# KiCad board rp2040_base.kicad_pcb (continued)
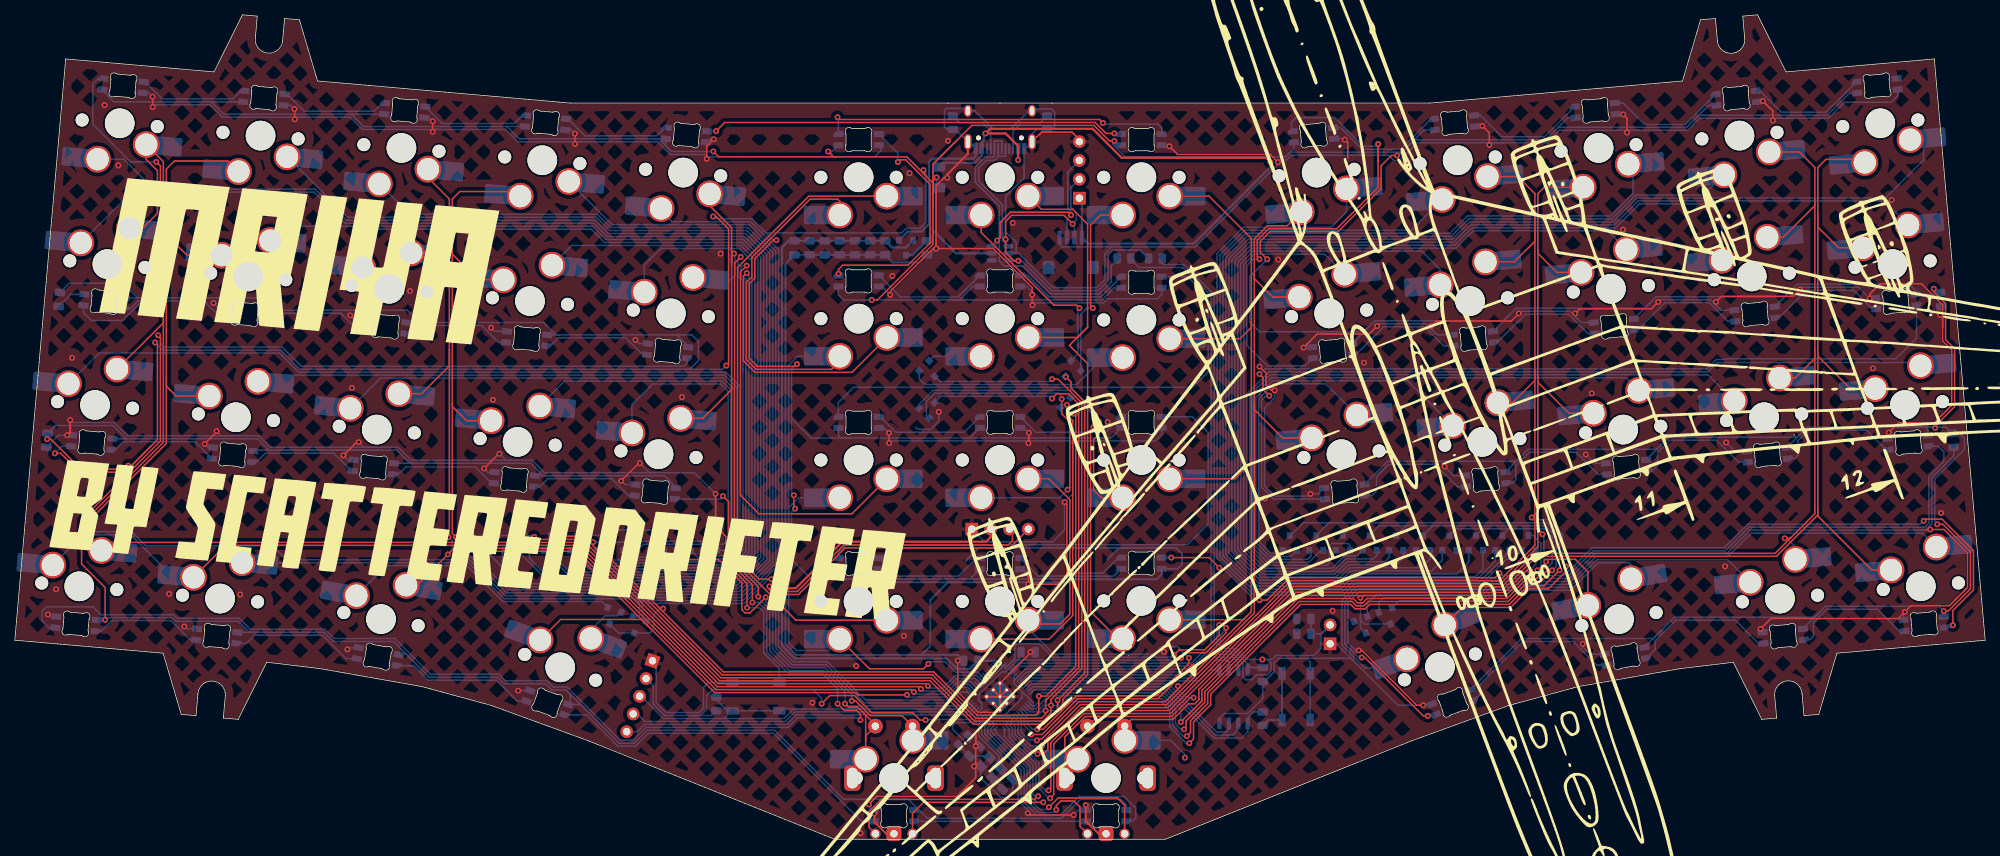
[diagram p0: board, top side]
## Nets (continued)
Net-(LED42-DIN): LED42.4 LED46.2
Net-(LED43-DIN): LED43.4 LED47.2
Net-(LED44-DIN): LED44.4 LED48.2
Net-(LED45-DOUT): LED45.2 LED49.4
Net-(LED46-DIN): LED46.4 LED50.2
Net-(LED47-DIN): LED47.4 LED51.2
Net-(LED48-DIN): LED48.4 LED52.2
Net-(U3-USB_DM): R4.2 U3.46
Net-(U3-USB_DP): R3.2 U3.47

Pads without a net: D7 1; D14 2; D21 2; D28 1; J0 A8 B8; JST_connector2 MP; LED49 2; SW1 MP; SW3 MP; U3 28 37; U44 3 4

## Via types
v1: diameter 0.8, hole 0.4, Top to Bottom, 255 vias

## Routing (per net, layer and track width the routed paths; a pad name or vN(x,y) marks a point on that pad's centre or on a via; arc(x,y) is an arc through that point)
+1V1: length 110
  Top w0.2: v1(163.18,28.48) 163.18,27.83 160.48,25.13 157.83,25.13 v1(157.13,24.43)
  Bottom w0.2: 134.72,23.76 134.84,23.89 ; 134.72,23.76 135.53,24.57 135.53,24.82 ; 134.72,23.76 U3.45 133.49,22.54 132.96,22.54 129.87,19.44 129.87,18.69 130.25,18.31 130.25,17.59 U3.23 ; 134.84,23.89 135.07,24.12 ; 134.84,23.89 135.09,24.13 ; 155.22,24.13 156.83,24.13 v1(157.13,24.43) ; 155.22,24.13 138.28,24.13 ; 155.22,24.13 155.89,24.13 ; 135.07,24.12 135.09,24.13 ; 135.07,24.12 135.09,24.12 ; 135.09,24.13 138.28,24.13 ; C6.1 C7.1 175.99,27.68 J4.2 175.94,27.63 175.94,25.74 174.97,24.77 169.93,24.77 169.38,24.22 v1(168.07,24.22) ; 138.28,24.13 137.9,24.13 ; v1(168.07,24.22) 166.06,24.22 164.56,25.71 162.67,25.71 162.36,26.02 162.36,27.48 163.18,28.3 v1(163.18,28.48) ; v1(168.07,24.22) 168.73,24.22 169.25,23.7 169.25,22.71 168.69,22.15 167.29,22.15 166.63,21.5 165.84,21.5 165.44,21.9 165.44,23.71 164.23,24.91 161.39,24.91 159.01,22.53 136.32,22.53 U3.50
+3V3: length 298.9
  Top w0.2: v1(122.69,16.06) 121.95,16.06 120.97,17.04 115.44,17.04 113.13,19.36 109.79,19.36 v1(108.69,18.26) ; v1(162.26,28.88) 162.26,27.48 160.31,25.53 156.86,25.53 v1(156.16,24.83)
  Top w0.3: pinout_cirque1.2 131.46,40.71 130.85,40.1 111.49,40.1 108.18,36.79 ; 108.18,36.79 105.22,33.83 103.88,33.83 102.82,34.89 v1(102.82,35.93) ; 108.18,36.79 108.63,37.23
  Bottom w0.2: 134.22,23.83 134.58,24.2 134.35,23.96 ; 134.22,23.83 134.7,24.31 134.7,25.98 135.07,26.35 137.99,26.35 139.81,24.53 155.86,24.53 v1(156.16,24.83) ; 134.22,23.83 U3.44 ; 134.62,21.37 134.62,21.97 U3.48 ; 134.62,21.37 134.62,20.97 135.71,19.88 ; 134.62,21.37 134.62,21.41 U3.49 136.15,22.93 158.84,22.93 160.31,24.4 ; 160.91,25 160.31,24.4 ; 160.91,25 161.22,25.31 ; 160.91,25 161.22,25.31 164.4,25.31 165.49,24.22 ; 135.71,19.88 135.71,19.06 133.14,16.49 ; 135.71,19.88 U3.1 ; 165.49,24.22 166.09,23.62 U2.8 ; 165.49,24.22 166.59,23.12 C5.1 ; 160.31,24.4 161.35,25.44 ; 161.35,25.44 161.96,26.05 ; 161.35,25.44 161.96,26.05 ; U3.10 134.02,16.49 133.14,16.49 ; v1(122.69,16.06) 122.75,16.12 129.34,16.12 U3.22 130.51,17.3 130.95,17.3 131.76,16.49 133.14,16.49 ; 161.96,26.05 161.96,28.58 v1(162.26,28.88) ; J1.2 85.99,20.7 85.99,18.22 87.54,16.67 91.09,16.67 ; 91.09,16.67 92.36,16.67 93.19,17.49 93.19,19.33 94.03,20.17 107.51,20.17 108.69,18.99 v1(108.69,18.26) ; 91.09,16.67 93.84,16.67 R8.2 ; U3.43 131.57,21.75 131.49,21.75 130.24,20.51 130,20.51 U3.33
  Bottom w0.25: C9.1 C4.1
  Bottom w0.3: C4.1 118.15,79.74 120.05,79.74 U4.2 ; C9.1 104.24,80.65 103.34,79.76 103.34,37.17 ; 103.34,35.9 103.34,26.1 105.08,24.37 125.51,24.37 126.92,22.96 128.65,22.96 C10.1 132.2,24.05 132.77,23.48 ; 103.34,35.9 103.34,37.17 ; 103.34,35.9 103.34,35.4 ; 133.55,23.23 U3.43 132.77,23.48 ; 103.34,37.17 103.34,36.46 v1(102.82,35.93) ; 113.01,80.65 C14.1 ; 132.77,23.48 132.19,23.48 132.15,23.51
+5V: length 1502.7
  Top w0.2: v1(14.29,48.76) 14.29,48.34 8.99,43.04 8.99,37.09 12.16,33.92 v1(12.16,29.56) ; v1(104.94,46.34) 104.94,44.73 v1(105.13,44.55) ; v1(148.14,94.1) 147.47,94.1 145.38,96.19 128.92,96.19 126.88,94.15 ; 110.65,91.96 94.82,91.96 v1(94.1,92.68) ; 110.65,91.96 120.17,91.96 122.69,89.44 ; 110.65,91.96 110.29,91.96 v1(109.57,92.68) ; v1(94.07,83.92) 94.49,83.92 96.16,82.25 96.16,64.13 v1(95.86,63.83) ; 126.88,94.15 123.69,90.96 ; 126.88,94.15 123.69,90.96 ; 123.69,90.96 123.69,86.99 ; 123.69,85.6 123.69,86.99 ; 123.69,85.6 123.69,88.7 v1(124.17,89.18) ; 123.69,85.6 123.69,80.17 116.2,72.67 v1(115.44,72.67) ; 123.69,86.99 123.69,88.44 122.69,89.44 ; 122.69,89.44 122.41,89.72 v1(122.41,90.17) ; v1(258.69,55.43) 258.69,55.67 258.98,55.95 258.98,55.95 261.32,58.29 261.32,66.1 260.1,67.32 260.1,72.18 258.52,73.76 v1(258.52,74.18) ; v1(186.22,92.15) 185.45,92.15 184.06,90.75 184.06,87.67 178.25,81.87 169.07,81.87 167.78,80.57 167.78,79.11 v1(168.73,78.16) ; v1(105.37,64.02) 105.07,63.72 100.03,63.72 98.96,64.79 98.96,74.88 99.69,75.62 99.69,78.25 102.17,80.73 v1(102.59,80.73) ; v1(258.98,42.44) 259.75,42.44 263.46,38.73 263.46,33.75 260.46,30.75 v1(259.86,30.75) ; v1(15.3,50.34) 15.72,50.34 18.33,52.94 ; 18.33,52.94 19.21,53.83 19.21,66.64 v1(18.91,66.94) ; 18.33,52.94 17.61,52.23 ; 17.61,52.23 15.24,49.86 8.91,49.86 4.86,53.9 v1(4.36,53.9) ; 17.61,52.23 17.32,51.94
  Bottom w0.2: 53.69,50.67 69.51,50.67 71.19,48.99 73.92,48.99 ; 53.69,50.67 51.12,50.67 LED13.3 51.26,50.81 ; 53.69,50.67 53.23,50.67 51.48,52.42 49.43,52.42 ; 239.27,73.94 238.42,73.1 221.11,73.1 220.29,72.29 ; 239.27,73.94 240.1,74.78 255.24,74.78 256.06,73.95 LED50.3 259.11,73.42 C19.1 ; 239.27,73.94 LED46.3 ; 126.53,72.67 146.48,72.67 148.12,74.31 LED26.3 ; 126.53,72.67 114.37,72.67 ; 126.53,72.67 127.25,72.67 129.06,74.48 129.99,74.48 ; LED36.3 149.73,4.65 149.01,5.37 143.56,5.37 141,2.81 122.94,2.81 122.05,3.7 ; 226.39,97.1 228.18,98.89 LED45.3 ; 226.39,97.1 225.22,95.93 207.9,95.93 207.45,95.47 ; 226.39,97.1 226.85,97.56 244.17,97.56 247.16,100.55 LED49.3 ; LED23.3 148.04,93.53 147.9,93.67 ; 26.46,99.37 28.12,97.71 45.32,97.71 ; 26.46,99.37 13.32,99.37 11.79,100.9 LED1.3 ; 26.46,99.37 LED2.3 ; 5.45,55.74 13.23,55.74 15,53.97 ; 5.45,55.74 4.36,54.64 v1(4.36,53.9) ; 5.45,55.74 C15.1 ; 86.14,94.39 86.75,94.39 87.98,93.16 ; 86.14,94.39 67.93,94.39 66.27,96.05 ; 86.14,94.39 LED5.3 87.7,93.44 87.98,93.16 ; LED24.3 110.94,73.37 111.64,72.67 114.37,72.67 ; 90.41,63.34 90.92,63.34 92.09,64.51 92.09,67.08 91.2,67.97 88.52,67.97 ; 90.41,63.34 38.4,63.34 35.82,65.92 19.93,65.92 v1(18.91,66.94) ; 90.41,63.34 95.37,63.34 v1(95.86,63.83) ; 88.52,67.97 73.34,67.97 ; 88.52,67.97 89.18,67.97 90.71,66.43 LED10.3 ; 73.34,67.97 72.9,67.97 71.24,69.63 56.7,69.63 ; 73.34,67.97 LED9.3 ; 51.26,24.93 52.73,24.93 53.65,24.01 ; 171.46,92.24 171.17,91.94 149.63,91.94 147.9,93.67 ; 171.46,92.24 171.81,92.58 186.86,92.58 187.19,92.91 ; 171.46,92.24 172.29,93.06 LED33.3 ; 73.92,48.99 87.52,48.99 89.05,47.46 LED15.3 ; 73.92,48.99 LED14.3 ; 147.9,93.67 147.9,93.86 v1(148.14,94.1) ; v1(258.52,74.18) 258.86,74.18 C19.1 ; v1(258.98,42.44) 258.98,42.51 258.66,42.83 258.66,48.55 262.64,52.53 262.64,54.02 261.96,54.7 C18.1 260.21,55.52 257.26,55.52 ; 14.29,49.33 14.36,49.41 ; 14.29,49.33 14.36,49.41 ; 14.29,49.33 v1(14.29,48.76) 14.29,49.33 ; 14.36,49.41 v1(15.3,50.34) ; 32.87,27.88 41.62,27.88 42.85,26.66 51,26.66 53.65,24.01 ; 32.87,27.88 31.56,27.88 30.08,29.36 21.7,29.36 21.2,29.86 11.35,29.86 LED19.3 12.13,29.53 v1(12.16,29.56) ; 32.87,27.88 LED18.3 ; 74.52,19.83 76.44,17.91 ; 74.52,19.83 74.23,20.11 72.35,20.11 71.52,20.95 65.92,20.95 65.04,21.83 55.83,21.83 53.65,24.01 ; 74.52,19.83 74.83,19.52 74.83,18.44 LED16.3 76.19,18.16 76.44,17.91 ; 76.44,17.91 81.41,12.94 83.44,12.94 85.17,14.67 102.36,14.67 111.63,5.4 120.35,5.4 122.05,3.7 ; v1(115.44,72.67) 114.37,72.67 ; LED37.3 189.86,95.57 187.78,93.49 188,93.71 ; 188,93.71 187.19,92.91 ; 188,93.71 188.54,94.26 206.23,94.26 207.45,95.47 ; 187.19,92.91 186.43,92.15 v1(186.22,92.15) ; 122.05,3.7 121.84,3.91 LED20.3 ; C19.1 259.38,73.69 259.89,73.69 ; 100.85,82.04 101.19,81.7 119.47,81.7 120.11,82.34 121.96,82.34 122.71,83.09 122.71,89.87 v1(122.41,90.17) ; 100.85,82.04 99.27,83.62 94.37,83.62 v1(94.07,83.92) ; 100.85,82.04 102.17,80.73 v1(102.59,80.73) ; 207.45,95.47 209.21,97.23 LED41.3 ; 15,53.97 32.69,53.97 34.24,52.42 49.43,52.42 ; 15,53.97 LED11.3 ; 112.39,35.06 107.3,35.06 104.64,37.72 104.64,44.07 v1(105.13,44.55) ; 112.39,35.06 127.61,35.06 ; 112.39,35.06 111.43,35.06 110.94,35.55 LED30.3 ; 222.18,28.51 220.71,27.04 202.99,27.04 LED40.3 ; 222.18,28.51 LED44.3 ; 222.18,28.51 223.59,29.92 242.45,29.92 243.16,30.63 ; 255.53,55.52 258.6,55.52 v1(258.69,55.43) ; 255.53,55.52 257.26,55.52 ; 255.53,55.52 241.48,55.52 240.57,54.61 ; LED29.3 147.68,54.07 128.3,54.07 ; 243.16,30.63 LED48.3 ; 243.16,30.63 243.91,31.38 259.22,31.38 259.86,30.74 LED52.3 259.86,30.02 v1(259.86,30.75) ; 220.29,72.29 LED42.3 ; 220.29,72.29 219.56,71.55 202.24,71.55 201.5,70.82 ; 240.57,54.61 240.12,54.16 222.8,54.16 221.79,53.15 ; 240.57,54.61 LED47.3 ; LED51.3 257.72,55.14 257.35,55.52 257.26,55.52 ; 104.64,56.69 104.64,63.42 105.25,64.02 v1(105.37,64.02) ; 104.64,56.69 107.26,54.07 112.43,54.07 ; 104.64,56.69 104.64,46.64 104.65,46.64 v1(104.94,46.34) ; 87.98,93.16 88.46,92.68 v1(94.1,92.68) ; 127.61,35.06 128.67,35.06 129.99,36.38 ; 127.61,35.06 141.95,35.06 142.34,35.46 148.05,35.46 LED32.3 ; 66.27,96.05 46.98,96.05 45.32,97.71 ; 66.27,96.05 LED4.3 ; v1(168.73,78.16) 168.7,78.16 166.36,75.81 166.36,69.71 167.67,68.4 181.77,68.4 ; 16.56,72.95 14.59,74.92 7.3,74.92 C16.1 ; 16.56,72.95 33.6,72.95 35.26,71.29 35.92,71.29 ; 16.56,72.95 LED6.3 ; 45.32,97.71 LED3.3 ; v1(124.17,89.18) 124.17,88.1 F0.2 ; 129.99,55.43 128.63,54.07 128.3,54.07 ; 112.43,54.07 111.27,54.07 110.94,54.4 LED27.3 ; 112.43,54.07 128.3,54.07 ; 181.77,68.4 LED34.3 ; 181.77,68.4 183.23,69.86 200.55,69.86 201.5,70.82 ; 201.5,70.82 LED38.3 ; 56.7,69.63 54.54,69.63 52.88,71.29 35.92,71.29 ; 56.7,69.63 LED8.3 ; 221.79,53.15 221.18,52.54 203.87,52.54 202.99,51.67 ; 221.79,53.15 LED43.3 ; 35.92,71.29 LED7.3 ; 49.43,52.42 32.23,52.42 LED12.3 ; 202.99,51.67 LED39.3 ; 202.99,51.67 202.25,50.92 184.93,50.92 LED35.3 ; v1(109.57,92.68) 110.09,92.68 LED21.3 109.79,92.38
  Bottom w0.3: 123.66,82.43 123.66,86.99 F0.2 ; 123.66,82.43 123.66,82.09 126.79,78.96 U44.5 ; 123.66,82.43 123.66,81.44 C1.1 120.93,78.7 U4.3
GND: length 1437.6
  Top w0.2: v1(46.33,53.51) 46.05,53.51 v1(44.26,51.72) ; v1(129.24,9.82) 129.44,10.02 129.44,10.36 ; v1(170.16,91.24) 169.12,92.29 156.63,92.29 v1(155.54,93.38) ; v1(136.61,54.77) 136.61,53.44 v1(136.55,53.37) ; 259.7,68.95 259.7,67.15 260.92,65.94 260.92,58.46 258.81,56.35 258.81,56.35 258.58,56.12 253.75,56.12 v1(252.44,54.81) ; 259.7,68.95 259.7,70.34 v1(259.4,70.64) ; 259.7,68.95 259.7,72.01 256.87,74.84 251.27,74.84 249.89,73.46 v1(249.89,72.88) ; v1(197.7,96.13) 198.64,95.19 v1(198.64,93.56) ; v1(141.42,45.43) 141.72,45.13 141.72,35.58 140.5,34.36 v1(136.54,34.36) 136.57,34.4 v1(136.57,35.76) ; 123.24,79.15 117.92,73.82 v1(117.92,73.37) ; 123.24,79.15 123.69,79.6 v1(124.12,79.6) 131.79,79.6 137.05,74.34 v1(137.05,73.37) 137.05,72.01 v1(137.09,71.97) ; 123.24,79.15 124.12,80.02 124.12,80.37 ; v1(190.82,69.16) 191.49,69.83 201.6,69.83 v1(202.62,70.85) ; v1(18.57,98.67) 18.57,100.05 v1(18.55,100.07) ; v1(56.29,95.35) v1(56.29,96.75) ; v1(65.29,51.94) 65.19,51.94 v1(63.22,49.97) ; v1(173.62,66.25) 175.46,68.09 182.46,68.09 v1(183.53,69.16) ; 129.44,10.36 129.44,14.14 v1(129.44,12.55) ; 129.44,10.36 129.44,8.27 126.93,5.76 116.11,5.76 v1(115.05,4.7) ; 261.39,32.24 262.52,33.38 ; 261.39,32.24 260.6,31.46 255.43,31.46 v1(254.61,30.64) 253.7,29.73 236.57,29.73 v1(235.18,28.34) ; 261.39,32.24 261.74,32.6 ; 262.52,33.38 263.06,33.91 263.06,38.57 259.88,41.74 v1(258.03,41.74) ; 262.52,33.38 262.89,33.75 ; U3.57 132.41,17.11 129.79,17.11 127.03,19.88 v1(127.03,24.07) ; U3.57 U3.57 ; U3.57 U3.57 ; v1(181.05,25.45) 181.47,25.45 188.87,18.05 v1(189.75,18.05) ; U3.57 U3.57 136.81,25.11 v1(136.81,25.22) ; U3.57 U3.57 ; U3.57 U3.57 ; v1(75.46,93.69) 75.46,95.08 v1(75.45,95.09) ; v1(84.2,50.67) 84.07,50.67 v1(81.69,48.29) ; v1(98.64,31.21) 98.64,34.4 95.76,37.29 95.76,40.83 94.41,42.18 v1(94.41,46.54) ; 179.57,91.76 179.57,93.87 v1(179.16,94.28) ; v1(167.68,63.69) 168.55,62.82 168.55,61.2 169.27,60.48 v1(169.71,60.48) ; v1(221.39,72.4) 220.48,71.48 210.84,71.48 v1(210.21,70.85) ; v1(27.18,54.99) 27.18,54.88 v1(25.57,53.27) ; v1(117.77,53.37) 117.76,53.38 v1(117.76,54.77) ; v1(235.48,99.48) 236.84,98.12 v1(236.84,96.86) ; v1(142.63,3.27) 136.69,3.27 v1(136.45,3.51) ; v1(217.19,95.23) 217.19,97.17 v1(216.69,97.67) ; U3.57 U3.57 ; v1(93.21,91.68) 93.21,93.38 v1(94.15,94.32) ; v1(37.71,97.01) 37.71,98.37 v1(37.67,98.41) ; v1(240.49,74.08) 239.57,73.16 229.93,73.16 v1(229.17,72.4)
  Top w0.22: J0.S1 138.33,95.28 142.43,95.28 143.41,94.3 USB_breakout1.4
  Top w0.25: J0.S1 128.39,92.37 125.62,89.6 v1(125.62,89.14) 125.16,89.14 124.12,88.1 v1(124.12,79.6) ; v1(144.28,4.6) 144.28,2.41 145.21,1.48 145.38,1.36 146,0.74 SW3.C ; U3.57 U3.57 ; SW1.C 117.39,0.74 115.79,2.34 v1(115.79,3.46) ; v1(7.47,56.48) 7.47,54.86 v1(7.06,54.45) ; v1(117.52,35.76) 117.54,35.75 v1(117.54,34.36)
  Bottom w0.2: LED15.1 82.17,47.81 v1(81.69,48.29) ; v1(93.21,91.68) 93.51,91.98 94.06,91.98 ; v1(37.71,97.01) 38.01,97.31 38.97,97.31 ; v1(259.4,70.64) 259.4,71.65 C19.2 ; 229.37,71.77 229.17,71.98 v1(229.17,72.4) ; 229.37,71.77 229.86,71.29 LED46.1 ; 229.37,71.77 228.44,72.7 221.7,72.7 v1(221.39,72.4) ; 57.11,95.65 46.81,95.65 45.15,97.31 38.97,97.31 ; 57.11,95.65 66.1,95.65 67.76,93.99 76.23,93.99 ; 57.11,95.65 56.59,95.65 56.29,95.36 v1(56.29,95.35) ; LED47.1 231.7,52.31 v1(230.55,53.46) ; 200.45,93.86 206.4,93.86 208.07,95.53 218.34,95.53 ; 200.45,93.86 188.92,93.86 186.51,91.45 185.79,91.45 185.06,92.18 171.97,92.18 171.34,91.54 170.97,91.54 ; 200.45,93.86 198.94,93.86 v1(198.64,93.56) ; 117.1,55.43 LED27.1 117.1,55.43 ; 117.1,55.43 v1(117.76,54.77) ; v1(235.48,99.48) 234.78,99.48 LED45.1 ; v1(27.18,54.99) 27.8,54.37 29.57,54.37 ; v1(117.52,35.76) 116.9,36.38 LED30.1 ; LED18.1 23.13,28.35 v1(22.83,28.66) ; J4.1 178.04,26.34 180.33,24.05 ; U44.2 135.22,78.96 139.85,74.33 145.8,74.33 146.85,75.39 146.85,78.93 147.74,79.81 147.78,79.81 ; 94.06,91.98 93.21,91.98 92.91,92.28 88.29,92.28 86.59,93.99 76.23,93.99 ; 94.06,91.98 115.87,91.98 116.67,92.78 116.67,93.25 LED21.1 ; 170.97,91.54 170.46,91.54 v1(170.16,91.24) ; 170.97,91.54 170.74,91.54 159.01,79.81 141.08,79.81 140.75,80.15 JST_connector2.4 ; C2.2 134.28,8.07 Y0.2 133.01,9.58 133.01,11.3 130.26,14.05 130.26,15.34 U3.19 ; C2.2 134.42,6.45 133.6,5.63 132.78,5.63 130.13,8.28 Y0.4 129.24,9.82 v1(129.24,9.82) ; C2.2 135.16,7.33 135.16,5.22 136.45,3.93 v1(136.45,3.51) ; 246.19,99.01 245.82,98.64 ; 246.19,99.01 244.33,97.16 238.79,97.16 ; 246.19,99.01 246.47,99.3 252.76,99.3 253.65,100.19 LED49.1 ; v1(136.57,35.76) 135.95,36.38 LED31.1 ; LED17.1 45.03,25.82 v1(44.8,25.58) ; LED26.1 154.49,73.4 153.93,72.83 147.21,72.83 146.65,72.27 137.39,72.27 v1(137.09,71.97) ; 29.57,54.37 25.91,54.37 ; 29.57,54.37 32.85,54.37 34.4,52.82 48.52,52.82 ; v1(117.92,73.37) 116.81,74.48 LED24.1 ; 191.46,68.1 190.09,69.46 183.83,69.46 v1(183.53,69.16) ; 191.46,68.1 191.59,67.97 LED38.1 ; 191.46,68.1 190.82,68.74 v1(190.82,69.16) ; 76.23,93.99 75.76,93.99 v1(75.46,93.69) ; 136.86,34.64 136.58,34.36 v1(136.54,34.36) ; LED50.1 250.57,72.88 v1(249.89,72.88) 248.39,74.38 240.49,74.38 ; C16.2 7.53,73.42 LED6.1 ; 7.59,56.14 13.4,56.14 15.16,54.37 25.91,54.37 ; v1(254.61,30.64) 254.43,30.46 LED52.1 ; 38.97,97.31 27.95,97.31 26.29,98.97 18.87,98.97 v1(18.57,98.67) ; 240.79,74.38 v1(240.49,74.08) ; v1(197.7,96.13) 196.8,96.13 LED37.1 ; 48.52,52.82 47.02,52.82 v1(46.33,53.51) ; 48.52,52.82 51.64,52.82 53.39,51.07 66.88,51.07 ; v1(129.44,12.55) 129.44,12.55 C3.2 ; LED44.1 212.23,24.93 211.24,25.92 v1(211.24,26.34) ; v1(67.81,20.02) 67.81,20.02 LED16.1 ; LED35.1 175.59,46.54 v1(174.55,46.54) 174.25,46.24 169.72,46.24 168.36,47.6 168.36,58.14 169.71,59.49 v1(169.71,60.48) ; 210.47,70.16 210.21,70.43 v1(210.21,70.85) ; 210.47,70.16 209.48,71.15 202.92,71.15 v1(202.62,70.85) ; 210.47,70.16 211.01,69.63 LED42.1 ; 238.79,97.16 227.02,97.16 225.39,95.53 218.34,95.53 ; 238.79,97.16 237.14,97.16 v1(236.84,96.86) ; 218.34,95.53 217.49,95.53 v1(217.19,95.23) ; v1(136.55,53.37) 136.64,53.46 136.64,53.67 ; 25.91,54.37 25.57,54.37 ; 142.04,53.67 153.65,53.67 154.49,54.52 LED29.1 ; 142.04,53.67 118.07,53.67 v1(117.77,53.37) ; 142.04,53.67 142.52,53.19 142.52,46.53 v1(141.42,45.43) 141.42,41.65 139.86,40.09 130.62,40.09 pinout_cirque1.1 ; 256.77,41.65 257.94,41.65 v1(258.03,41.74) ; 256.77,41.65 257.47,41.65 258.26,42.44 258.26,48.71 261.2,51.66 C18.2 ; 256.77,41.65 233.77,41.65 230.59,38.47 212.81,38.47 209.08,34.74 199.06,34.74 197.67,33.34 181.09,33.34 179.58,31.83 179.58,26.49 180.62,25.45 v1(181.05,25.45) ; LED43.1 212.83,50.65 v1(211.64,51.84) ; v1(136.61,54.77) 135.95,55.43 LED28.1 ; 86.34,49.39 71.35,49.39 69.67,51.07 66.88,51.07 ; 86.34,49.39 91.55,49.39 v1(94.41,46.54) ; 86.34,49.39 85.48,49.39 v1(84.2,50.67) ; v1(44.26,51.72) 44.85,51.13 LED13.1 ; LED1.1 18.07,100.55 v1(18.55,100.07) ; 180.33,24.05 186.32,18.05 v1(189.75,18.05) 190.74,18.05 LED40.1 ; 180.33,24.05 180,24.37 173.7,24.37 ; v1(235.18,28.34) 235.46,28.06 LED48.1 ; v1(63.22,49.97) 63.72,49.47 LED14.1 ; LED20.1 115.71,4.05 v1(115.05,4.7) ; v1(216.69,97.67) 215.73,97.67 LED41.1 ; 168.12,19.92 168.12,20.47 ; 168.12,20.47 168.12,18.97 166.1,16.95 162.94,16.95 162.28,16.3 U2.4 ; 168.12,20.47 C5.2 168.32,21.22 169.65,22.54 169.65,23.79 170.22,24.37 173.7,24.37 ; LED36.1 143.27,3.91 v1(142.63,3.27) ; LED19.1 4.73,30 v1(4.45,30.28) ; v1(25.57,53.27) 26.05,52.79 LED12.1 ; v1(137.05,73.37) 137.05,73.74 137.08,73.77 136.36,74.48 LED25.1 ; 121.35,55.51 121.61,55.25 123.4,55.25 124.47,56.32 v1(124.47,57.58) ; J1.1 86.39,23.55 86.39,18.39 87.71,17.07 92.2,17.07 92.79,17.66 92.79,20.47 93.43,21.11 SW2.1 SW2.1 102.98,23 100.89,25.09 100.89,30.63 100.31,31.21 v1(98.64,31.21) ; v1(83.61,67.27) 84.09,66.78 LED10.1 ; v1(252.44,54.81) 252.3,54.67 LED51.1 ; LED8.1 45.67,70.1 v1(45.19,70.59) ; v1(94.15,94.32) 93.53,94.32 LED5.1 ; LED39.1 193.85,48.99 v1(192.62,50.22) ; 173.7,24.37 174.02,24.37 174.51,23.88 SW0.1 SW0.1 ; LED23.1 155.39,93.53 v1(155.54,93.38) ; v1(173.62,66.25) 174.67,66.25 LED34.1 ; v1(56.29,96.75) 55.81,97.23 LED3.1 ; LED9.1 64.65,68.44 v1(64.17,68.93) ; LED2.1 37.19,98.89 v1(37.67,98.41) ; LED7.1 27.24,71.76 v1(26.76,72.25) ; LED33.1 179.05,94.39 v1(179.16,94.28) ; 66.88,51.07 66.16,51.07 v1(65.29,51.94) ; LED4.1 74.96,95.57 v1(75.45,95.09) ; v1(127.03,24.07) 127.82,24.07 C10.2 ; v1(136.81,25.22) 136.83,25.2 C8.2 ; LED11.1 v1(7.06,54.45) 5.89,54.45 C15.2
  Bottom w0.22: U44.2 134.73,78.96 134.9,79.13 134.9,80.42 133.47,81.85 133.47,86.62 135.96,89.11 J0.A12 136.11,93.06 J0.S1 137.03,95.02 137.65,95.64 R6.2 139.64,95.64 140.07,96.07 140.07,97.96 139.61,98.42 137.29,98.42 J0.S1 136.61,98.16 134.11,95.66 131.84,95.66 129.34,98.16 J0.S1 128.06,98.49 125.5,98.49 125.24,98.23 125.24,96.03 125.63,95.64 R7.2 126.73,95.64 J0.S1
  Bottom w0.25: 120.77,24.84 127.04,24.84 C10.2 ; 120.77,24.84 105.27,24.84 103.82,26.3 103.82,77.55 C9.2 C4.2 118.27,77.72 121.85,77.72 C1.2 123.27,78.75 v1(124.12,79.6) ; 120.77,24.84 122.15,24.84 123.33,26.03 123.33,32.22 125.74,34.64 127.1,34.64 ; 127.1,34.64 117.81,34.64 v1(117.54,34.36) ; 127.1,34.64 142.12,34.64 142.52,35.03 153.82,35.03 154.49,35.71 LED32.1 156.66,36.45 157.23,37.02 157.23,38.49 156.45,39.27 149.68,39.27 ; 149.68,39.27 148.73,39.27 147.15,37.68 ; 149.68,39.27 130.33,39.27 ; v1(115.79,3.46) 115.79,3.83 LED20.1 ; J0.S1 128.54,93.98 J0.A1 129.46,92.28 ; LED36.1 144.28,3.91 v1(144.28,4.6) ; 128.09,37.49 129.86,39.27 130.33,39.27 ; 130.33,39.27 118.11,39.27
  Bottom w0.3: U4.1 120.3,81.89 122.15,81.89 123.16,82.91 123.16,91.27 123.61,91.71 129.08,91.71 129.46,92.09 129.46,92.28
  vias: v1(5.55,33.67) v1(7.7,64.88) v1(12.09,98.93) v1(13.95,90.8) v1(15.59,85.23) v1(20.78,33.07) v1(30.36,32.98) v1(45.42,60.82) v1(53.24,73.87) v1(64.41,59.21) v1(89.88,59.58) v1(95.08,78.91) v1(107.45,18.4) v1(113.35,23.35) v1(113.92,0.8) v1(118.21,75.91) v1(119.77,27.41) v1(120.54,89.75) v1(125.72,94.12) v1(134.43,83.04) v1(147.22,56.21) v1(154.82,25.25) v1(168.39,45.93) v1(170.21,78.11) v1(177.53,30.79) v1(181.76,64.22) v1(212.44,60.08) v1(216.66,82.15) v1(230.41,36.76) v1(250.32,63.45) v1(252.84,86.14) v1(259.51,43.96)
VBUS: length 95.6
  Top w0.3: v1(135.16,91.53) 135.16,93.43 133.48,95.11 v1(130.76,95.11) 131.39,95.74 145.19,95.74 149.1,91.84 168.57,91.84 v1(169.16,91.24)
  Bottom w0.3: 144.34,80.48 144.56,80.26 158.82,80.26 169.16,90.61 v1(169.16,91.24) ; 144.34,80.48 JST_connector2.1 ; 144.34,80.48 143.76,81.06 143.76,86.04 USB_breakout1.1 ; v1(130.76,95.11) 130.54,94.9 130.54,94.21 130.26,93.92 J0.A4 130.26,92.11 129.29,91.14 125.01,91.14 F0.1 ; J0.A9 135.16,93.06 v1(135.16,91.53)
/QSPI_SCLK: length 30.2
  Bottom w0.2: 163.55,22.81 163.55,23.94 163.38,24.11 161.72,24.11 159.34,21.73 136.65,21.73 U3.52
/QSPI_SD0: length 27
  Bottom w0.2: U2.5 160.98,22.81 159.51,21.33 136.81,21.33 U3.53
/QSPI_SD1: length 32.1
  Bottom w0.2: U2.2 164.82,14.84 164.02,14.03 161.73,14.03 155.23,20.53 137.15,20.53 U3.55
/QSPI_SD2: length 31
  Bottom w0.2: U3.54 136.98,20.93 155.4,20.93 161.9,14.43 163.13,14.43 163.55,14.86 163.55,15.61
/QSPI_SD3: length 31.9
  Bottom w0.2: U3.51 136.48,22.13 159.18,22.13 161.55,24.51 164.07,24.51 164.82,23.76 U2.7
/QSPI_SS: length 36.5
  Bottom w0.2: R1.1 166.87,17.15 166.09,16.38 U2.1 166.09,14.45 165.28,13.63 161.57,13.63 155.07,20.13 137.31,20.13 U3.56
/RUN: length 62.5
  Bottom w0.2: 95.55,16.27 87.38,16.27 84.38,19.26 J1.3 ; 95.55,16.27 103.64,16.27 104.93,17.56 105.69,17.56 ; 95.55,16.27 96.59,17.31 SW2.2 ; SW2.2 96,17.31 94.53,18.78 ; SW2.2 SW2.2 103.23,17.56 105.69,17.56 ; 105.69,17.56 114,17.56 ; 114,17.56 111.79,17.56 ; 114,17.56 128.51,17.56 U3.26
/SWCLK: length 48.4
  Bottom w0.2: U3.24 128.84,16.76 105.26,16.76 103.97,15.47 84.84,15.47 83.86,14.49 J1.5
/SWD: length 47.2
  Bottom w0.2: J1.4 83.86,16.88 84.87,15.87 103.81,15.87 105.1,17.16 128.68,17.16 U3.25
/USB_D+: length 69.8
  Top w0.2: v1(142.5,82.93) 141.35,84.07 134.29,84.07 133.48,83.26 v1(133.48,80.84)
  Top w0.22: v1(133.48,80.84) 133.48,79.05 134.58,77.95 v1(135.19,77.95)
  Bottom w0.2: JST_connector2.2 142.75,82.68 v1(142.5,82.93) 143,83.43 143,84.45 142.26,85.19 142.26,87.78 USB_breakout1.2
  Bottom w0.22: 133.05,81.71 133.05,85.48 129.83,88.7 129.83,90.43 130.88,91.49 131.97,91.49 132.46,91.98 J0.A6 132.46,92.07 132.5,92.03 133.42,92.03 133.46,92.07 J0.B6 ; 133.05,81.71 133.05,80.72 U44.1 ; 133.05,81.71 133.05,81.27 v1(133.48,80.84) ; R3.1 151.6,79.4 147.91,79.4 147.26,78.76 147.26,75.22 145.97,73.92 139.68,73.92 135.65,77.95 v1(135.19,77.95)
/USB_D-: length 71.3
  Top w0.22: v1(132.34,80.68) 132.77,81.11 132.77,83.13 134.12,84.48 141.93,84.48 v1(142.3,84.12)
  Bottom w0.2: JST_connector2.3 141.75,82.13
  Bottom w0.22: 132.63,81.21 132.63,83.62 ; 132.63,81.21 132.63,77.92 133.31,77.24 135.76,77.24 139.5,73.5 146.14,73.5 147.68,75.04 147.68,77.25 148.52,78.09 148.52,78.11 ; 132.63,81.21 132.63,80.96 U44.6 ; 132.63,83.62 132.63,85.31 129.41,88.53 129.41,90.61 130.71,91.91 131.8,91.91 131.96,92.07 J0.B7 131.96,94.06 132,94.1 132.92,94.1 132.96,94.06 J0.A7 ; 132.63,83.62 132.63,80.97 v1(132.34,80.68) ; USB_breakout1.3 141.85,89.91 141.85,85.02 142.3,84.57 v1(142.3,84.12) 141.75,83.57 141.75,82.13
/XIN: length 12.5
  Bottom w0.2: 130.12,15.78 129.86,15.51 ; 130.12,15.78 U3.20 ; 130.12,15.78 129.86,15.51 ; 129.86,15.51 129.86,13.89 132.61,11.14 132.61,10.72 131.67,9.78 131.67,8.28 Y0.3 133.08,6.87 C2.1
/XOUT: length 9
  Bottom w0.2: U3.21 129.5,15.72 126.78,15.72 126.33,15.27 126.33,14.83 128.03,13.13 128.62,13.13 128.66,13.17 128.66,13.78 R5.1
/~{USB_BOOT}: length 9.2
  Bottom w0.25: SW0.2 SW0.2 168.82,16.06 R1.2
COL0: length 216
  Top w0.2: 20.01,83.99 20.01,84.58 ; 20.01,84.58 20.01,70.42 ; 20.01,84.58 20.01,91.3 K1.1 ; K1.1 18.58,92.74 ; K1.1 17.7,91.61 19.21,90.1 19.21,84.33 17.22,82.34 K14.2 ; 20.01,70.42 20.01,53.5 9.39,42.87 9.39,39.37 9.84,38.92 K40.2 12.74,40 75.74,40 94.78,20.96 122.7,20.96 v1(123,20.66) ; 20.01,70.42 20.01,69.6 K27.2
  Bottom w0.2: v1(123,20.66) 123.3,20.36 125,20.36 126.71,22.06 129.58,22.06 U3.35
COL1: length 218.1
  Top w0.2: 36.58,39.6 75.57,39.6 94.61,20.56 121.77,20.56 v1(122.07,20.26) ; 36.58,39.6 33.61,39.6 ; 36.58,39.6 28.38,39.6 K41.1 ; 20.41,82.41 20.41,81.49 23.2,78.7 K15.1 ; 20.41,82.41 20.41,90.31 21.49,91.39 28.72,91.39 K2.2 ; 20.41,82.41 20.41,62.33 ; 20.41,62.33 20.41,61.05 21.73,59.73 K28.1 ; 20.41,62.33 20.41,53.33 9.79,42.71 9.79,41.04 v1(10.09,40.74)
  Bottom w0.2: U3.34 129.41,21.66 126.87,21.66 125.17,19.96 122.37,19.96 v1(122.07,20.26) ; K41.1 21.32,35.29 15.58,41.04 10.39,41.04 v1(10.09,40.74)
COL2: length 159.8
  Top w0.2: 58.54,83.05 58.54,81.13 56.43,79.02 K16.2 ; 58.54,83.05 58.54,65.98 ; 58.54,83.05 58.54,86.27 55.65,89.15 K3.1 ; 58.54,65.98 58.54,40.82 v1(58.42,40.7) ; 58.54,65.98 58.54,63.79 54.79,60.04 K29.2 ; K42.2 54.17,34.23 v1(58.32,38.37) 59.15,39.2 75.4,39.2 94.45,20.16 120.8,20.16 v1(121.1,19.86)
  Bottom w0.2: v1(58.42,40.7) 58.92,40.2 58.92,38.97 v1(58.32,38.37) ; U3.32 128.68,21.26 127.04,21.26 125.34,19.56 121.4,19.56 v1(121.1,19.86)
COL3: length 168.2
  Top w0.2: K17.1 62.4,75.38 58.94,78.84 ; v1(59.42,40.7) 58.94,41.18 58.94,58.65 ; v1(120.19,19.46) 113.59,19.46 113.29,19.76 94.28,19.76 85.66,28.38 ; 58.94,58.65 58.94,78.84 ; 58.94,58.65 58.94,58.31 60.84,56.4 K30.1 ; 58.94,78.84 58.94,86.27 59.95,87.28 67.46,87.28 K4.2 ; 85.66,28.38 75.24,38.8 59.63,38.8 59.32,38.49 v1(59.32,38.37) ; 85.66,28.38 84.43,29.61 73.52,29.61 K43.1
  Bottom w0.2: v1(120.19,19.46) 120.49,19.16 125.5,19.16 127.2,20.86 128.51,20.86 U3.31 ; v1(59.32,38.37) 59.42,38.47 v1(59.42,40.7)
COL4: length 128.5
  Top w0.2: 96.56,77.86 96.56,79.56 ; 96.56,77.86 96.56,77.48 ; 96.56,77.86 96.56,78.83 96.65,78.92 ; 96.56,79.56 96.56,82.42 93.61,85.37 K5.1 ; 96.56,79.56 96.56,79.26 v1(96.9,78.92) 96.56,78.58 96.56,77.48 ; 114.62,13.21 K44.1 ; 114.62,13.21 114.62,13.93 SW1.S1 115.93,15.42 114.16,17.19 ; 114.62,13.21 114.62,16.73 114.16,17.19 ; v1(100.16,32.7) 100.16,34.02 96.56,37.62 96.56,61.02 ; 96.56,61.02 96.56,77.48 ; 96.56,61.02 96.56,60.59 92.69,56.72 K31.2 ; 114.16,17.19 113.55,17.8 112.29,17.8 v1(111.84,18.26)
  Bottom w0.2: v1(96.9,78.92) 97.02,78.8 97.02,75.94 96.47,75.39 K18.2 ; v1(100.16,32.7) 100.16,32.49 101.69,30.96 101.69,25.42 104.39,22.72 108.97,22.72 111.84,19.85 v1(111.84,18.26) 112.14,17.96 128.35,17.96 U3.27
COL5: length 129.7
  Top w0.2: K45.2 115.14,22.96 122.4,22.96 v1(123.06,23.62) ; K6.2 111.13,85.98 110.85,86.26 107.14,86.26 99.29,78.42 99.29,75.79 98.56,75.05 98.56,64.63 99.86,63.32 110.03,63.32 111.13,64.42 K19.2
  Bottom w0.2: K19.2 105.43,65.07 104.24,63.89 104.24,42.77 ; K32.2 105.61,46.02 104.24,44.66 104.24,42.77 ; 104.24,42.77 104.24,26.48 105.3,25.42 109.58,25.42 K45.2 ; U3.36 129.69,22.51 126.73,22.51 125.32,23.92 123.36,23.92 v1(123.06,23.62)
COL6: length 172.6
  Top w0.2: v1(137.76,14.81) 138.51,14.81 140.82,17.12 ; 143.64,19.34 143.04,19.34 ; 143.64,19.34 153.83,19.34 158.17,23.67 v1(158.17,24.43) ; 143.64,19.34 143.04,19.34 ; 143.04,19.34 141.46,17.76 ; 143.04,19.34 140.82,17.12 ; 144.52,68.99 142.07,66.54 144.52,64.09 144.52,22.2 141.18,18.86 141.18,17.48 140.82,17.12 ; 144.52,68.99 144.52,82.89 142.51,84.89 138.29,84.89 K7.1 ; 144.52,68.99 143.14,67.61 K20.1 ; K33.1 139.33,48.56 142.12,45.77 142.12,30.32 140.8,29 137.04,29 K46.1
  Bottom w0.2: K46.1 136.53,28.38 139.97,24.93 153.45,24.93 154.47,25.95 156.65,25.95 v1(158.17,24.43) ; U3.6 136.36,16.41 136.36,15.55 137.1,14.81 v1(137.76,14.81)
COL7: length 140.9
  Top w0.2: 166.58,69.75 166.58,51.22 ; 166.58,69.75 166.58,68.98 165.04,67.44 K21.1 ; 166.58,69.75 166.58,80.96 160.88,86.66 K8.1 ; 166.58,51.22 166.58,50.78 164.36,48.56 K34.1 ; 166.58,51.22 166.58,30.67 166.02,30.11 ; 140.14,15.87 138.38,14.11 v1(136.92,14.11) ; 140.14,15.87 141.03,16.76 ; 140.14,15.87 142.2,17.94 ; 142.2,17.94 141.81,17.54 ; 142.2,17.94 143.2,18.94 154,18.94 158.55,23.49 159.4,23.49 166.02,30.11 ; 166.02,30.11 165.49,29.58 K47.1
  Bottom w0.2: U3.7 135.96,16.24 135.96,15.35 136.92,14.39 v1(136.92,14.11)
COL8: length 147.3
  Top w0.2: 166.98,76.11 166.98,58.9 ; 166.98,76.11 166.98,75.54 169.46,73.06 K22.1 ; 166.98,76.11 166.98,80.91 168.74,82.67 171.41,82.67 K9.2 ; 166.98,58.9 166.98,30.5 155.01,18.54 143.37,18.54 138.36,13.53 137.9,13.53 v1(137.69,13.32) ; 166.98,58.9 166.98,57.89 170.79,54.08 K35.1 ; v1(158.8,19.08) 158.38,19.08 155.84,16.54 146.12,16.54 ; 146.12,16.54 145.81,16.54 SW3.S1 144.51,16.04 ; 146.12,16.54 144.22,16.54 141.46,13.78 141.46,11.76 142.44,10.78 K48.1
  Bottom w0.2: v1(137.69,13.32) 137.59,13.41 136.6,13.41 135.56,14.45 135.56,16.08 U3.8 ; v1(156.69,20.63) 156.69,20.21 157.82,19.08 v1(158.8,19.08)
